# KiCad board DQBSC.kicad_pcb (continued)
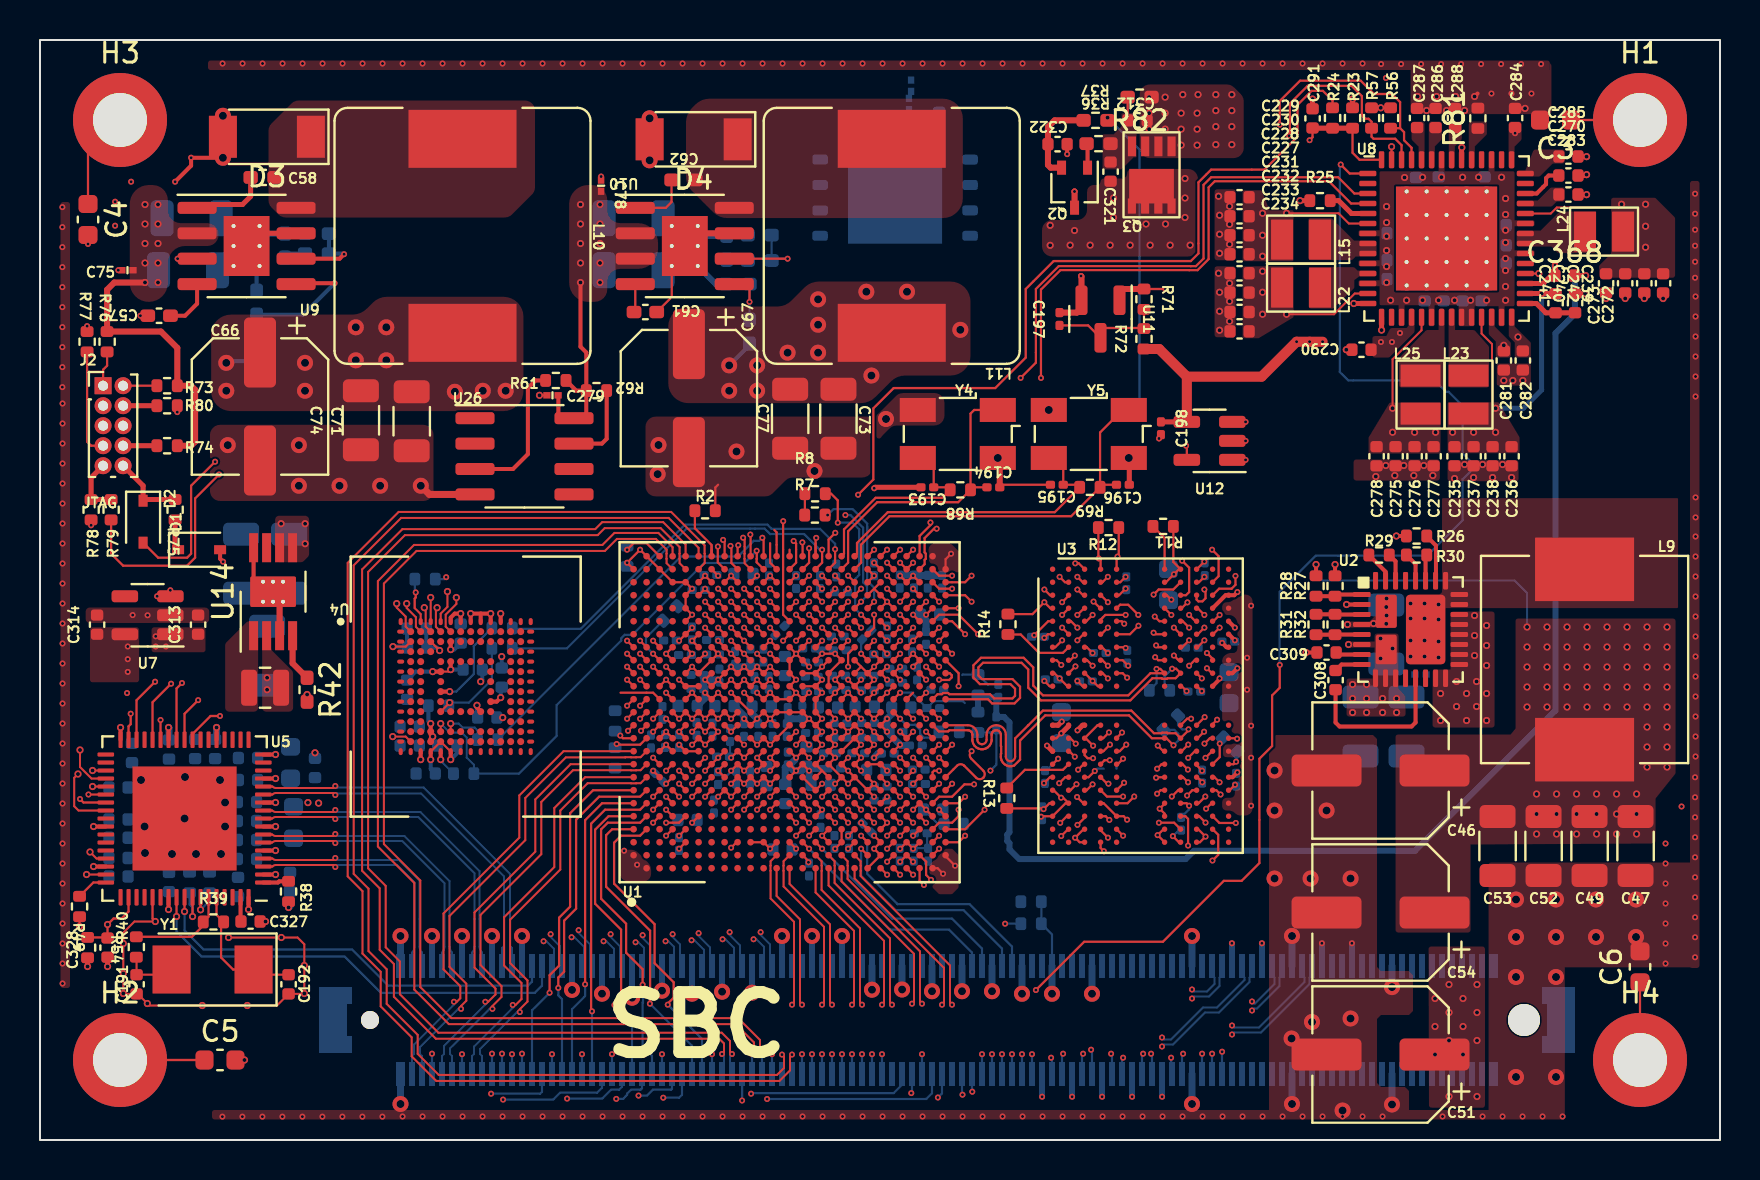
[diagram p0: board, top side]
## Routing (per net, layer and track width the routed paths; a pad name or vN(x,y) marks a point on that pad's centre or on a via; arc(x,y) is an arc through that point) (continued)
DRAM_DQ9: length 25.7
  TOP w0.11: U1.AA22 v2(42.35,27.56) ; U3.C11 58.95,27.56 59.58,27.56 59.77,27.76 v2(59.77,28.2)
  S1 w0.11: v2(42.35,27.56) 42.03,27.89 42.03,29.83 43.83,31.63 58.28,31.63 59.77,30.14 v2(59.77,28.2)
DRAM_DQ10: length 25.7
  TOP w0.11: U3.E11 58.67,25.94 v2(58.98,26.25) ; U1.AA23 v2(42.35,28.21)
  S1 w0.11: v2(42.35,28.21) 42.35,28.35 42.65,28.65 42.65,29.87 42.9,30.12 arc(42.97,30.15) 43.05,30.12 arc(43.13,30.09) 43.2,30.12 43.33,30.25 arc(43.36,30.33) 43.33,30.41 arc(43.3,30.48) 43.33,30.56 43.46,30.69 arc(43.54,30.72) 43.62,30.69 arc(43.69,30.66) 43.77,30.69 43.9,30.82 arc(43.93,30.89) 43.9,30.97 arc(43.87,31.05) 43.9,31.12 44.11,31.33 58.04,31.33 59.39,29.98 59.39,27.31 59.77,26.93 59.77,26.42 59.6,26.25 v2(58.98,26.25)
DRAM_DQ11: length 25.7
  TOP w0.11: U1.AA20 v2(42.35,26.26) ; v2(58.98,25.62) 58.65,25.29 U3.F11
  S1 w0.11: v2(58.98,25.62) 58.63,25.97 58.63,26.55 59.01,26.93 59.01,29.85 57.87,31 45.68,31 44.96,30.27 44.83,30.27 43.78,29.22 43.58,29.22 43.33,28.96 43.33,28.75 43.09,28.51 42.88,28.51 42.68,28.31 42.68,26.59 v2(42.35,26.26)
DRAM_DQ12: length 25.7
  TOP w0.11: U3.F9 57.02,25.29 v2(56.69,25.62) ; U1.AA18 v2(43,24.96)
  S1 w0.11: v2(56.69,25.62) 56.18,26.13 56.18,27.42 55.95,27.64 55.48,27.64 54.62,26.78 54.62,25.77 53.54,24.69 53.09,24.69 arc(52.91,24.76) 52.84,24.94 52.84,25.24 arc(52.76,25.42) 52.58,25.49 arc(52.4,25.42) 52.33,25.24 52.33,24.94 arc(52.25,24.76) 52.07,24.69 49.83,24.69 arc(49.67,24.62) 49.6,24.46 49.6,23.95 arc(49.53,23.79) 49.37,23.72 arc(49.2,23.79) 49.14,23.95 49.14,24.46 arc(49.07,24.62) 48.91,24.69 arc(48.74,24.62) 48.67,24.46 48.67,23.95 arc(48.61,23.79) 48.44,23.72 arc(48.28,23.79) 48.21,23.95 48.21,24.46 arc(48.15,24.62) 47.98,24.69 arc(47.82,24.62) 47.75,24.46 47.75,23.95 arc(47.68,23.79) 47.52,23.72 arc(47.36,23.79) 47.29,23.95 47.29,24.46 arc(47.22,24.62) 47.06,24.69 arc(46.89,24.62) 46.83,24.46 46.83,23.95 arc(46.76,23.79) 46.6,23.72 arc(46.43,23.79) 46.36,23.95 46.36,24.46 arc(46.3,24.62) 46.13,24.69 45.89,24.69 45.32,25.26 43.3,25.26 v2(43,24.96)
DRAM_DQ13: length 25.7
  TOP w0.11: v2(57.46,25.62) 57.14,25.94 U3.E9 ; U1.AB19 v2(43.65,25.61)
  S1 w0.11: v2(43.65,25.61) 44.08,25.61 44.22,25.75 44.65,25.75 44.91,26.02 44.91,26.45 45.09,26.63 45.42,26.63 45.83,26.22 46.29,26.22 46.47,26.03 47.01,26.03 47.3,26.32 47.58,26.32 arc(47.74,26.26) 47.81,26.09 47.81,25.3 arc(47.88,25.14) 48.04,25.07 arc(48.2,25.14) 48.27,25.3 48.27,26.09 arc(48.34,26.26) 48.5,26.32 arc(48.67,26.26) 48.73,26.09 48.73,25.3 arc(48.8,25.14) 48.96,25.07 arc(49.13,25.14) 49.2,25.3 49.2,26.09 arc(49.26,26.26) 49.43,26.32 arc(49.59,26.26) 49.66,26.09 49.66,25.75 arc(49.72,25.59) 49.89,25.52 arc(50.05,25.59) 50.12,25.75 50.12,26.09 arc(50.19,26.26) 50.35,26.32 50.55,26.32 50.92,25.96 51.31,25.96 51.52,26.17 51.52,26.44 51.67,26.59 52.18,26.59 52.33,26.44 52.33,26.02 52.43,25.92 53.3,25.92 53.72,26.34 53.72,26.59 54.23,27.1 54.4,27.1 55.27,27.97 56.11,27.97 56.26,27.81 56.46,27.81 56.6,27.95 56.8,27.95 57,27.75 57,27.59 56.83,27.42 56.83,27.25 56.97,27.1 56.97,25.91 57.26,25.62 v2(57.46,25.62)
DRAM_DQ14: length 25.6
  TOP w0.11: U3.C9 57.3,27.24 57.46,27.4 57.46,28.61 v2(57.11,28.96) ; U1.AA19 v2(43,25.61)
  S1 w0.11: v2(43,25.61) 43.3,25.91 43.72,25.91 44.01,26.2 44.01,26.39 44.24,26.62 44.43,26.62 44.66,26.85 44.66,27.04 45.48,27.86 46.24,27.86 arc(46.42,27.79) 46.49,27.61 46.49,27.47 arc(46.57,27.28) 46.75,27.21 arc(46.93,27.28) 47,27.47 47,27.61 arc(47.08,27.79) 47.26,27.86 arc(47.44,27.79) 47.52,27.61 47.52,27.07 arc(47.59,26.88) 47.77,26.81 arc(47.95,26.88) 48.03,27.07 48.03,27.61 arc(48.1,27.79) 48.28,27.86 arc(48.46,27.79) 48.54,27.61 48.54,27.07 arc(48.61,26.88) 48.8,26.81 arc(48.98,26.88) 49.05,27.07 49.05,27.82 49.18,27.95 49.38,27.95 49.59,27.75 49.89,27.75 50.01,27.86 50.33,27.86 arc(50.51,27.79) 50.59,27.61 50.59,27.42 arc(50.66,27.23) 50.84,27.16 arc(51.02,27.23) 51.1,27.42 51.1,27.61 arc(51.17,27.79) 51.36,27.86 51.92,27.86 arc(52.1,27.79) 52.17,27.61 52.17,27.42 arc(52.25,27.23) 52.43,27.16 arc(52.61,27.23) 52.69,27.42 52.69,27.61 arc(52.76,27.79) 52.94,27.86 arc(53.12,27.79) 53.2,27.61 53.2,27.47 arc(53.27,27.28) 53.45,27.21 arc(53.63,27.28) 53.71,27.47 53.71,27.61 arc(53.78,27.79) 53.97,27.86 54.61,27.86 55.07,28.33 56.07,28.33 56.7,28.96 v2(57.11,28.96)
DRAM_DQ15: length 25.6
  TOP w0.11: U1.AA17 v2(43,24.31) ; U3.B9 56.66,27.52 55.93,27.52 v2(55.68,27.27)
  S1 w0.11: v2(43,24.31) 43.3,24.02 45.19,24.02 46.12,23.09 46.33,23.09 arc(46.52,23.01) 46.6,22.81 46.6,22.01 arc(46.69,21.82) 46.88,21.74 arc(47.07,21.82) 47.15,22.01 47.15,22.81 arc(47.24,23.01) 47.43,23.09 arc(47.62,23.01) 47.7,22.81 47.7,22.01 arc(47.79,21.82) 47.98,21.74 arc(48.17,21.82) 48.25,22.01 48.25,22.81 arc(48.34,23.01) 48.53,23.09 arc(48.72,23.01) 48.8,22.81 48.8,22.01 arc(48.89,21.82) 49.08,21.74 arc(49.27,21.82) 49.35,22.01 49.35,22.81 arc(49.44,23.01) 49.63,23.09 49.83,23.09 50.12,23.38 54.1,23.38 54.13,23.41 54.48,23.41 54.51,23.38 54.97,23.38 55.33,23.73 55.33,23.89 55.23,23.99 55.23,25.21 55.33,25.31 55.33,26.92 v2(55.68,27.27)
DRAM_DQ16: length 23.8
  TOP w0.11: U3.AA2 51.4,15.54 v2(51.06,15.2) ; v2(46.25,15.21) 45.93,14.89 U1.AE3
  S2 w0.11: v2(51.06,15.2) 50.84,15.2 50.17,15.87 49.93,15.87 49.76,16.04 49.76,16.29 49.89,16.41 49.89,16.87 49.95,16.93 49.95,17.34 49.91,17.38 49.57,17.38 49.28,17.68 49.23,17.68 49.15,17.72 49.15,18.08 49.2,18.14 50.4,18.14 50.43,18.14 50.48,18.16 50.53,18.2 50.55,18.26 50.34,18.47 50.34,18.82 49.89,19.28 49.81,19.28 49.65,19.43 49.58,19.4 49.52,19.35 49.49,19.28 49.49,19.24 49.49,18.64 49.49,18.6 49.46,18.52 49.4,18.47 49.33,18.44 49.29,18.44 49.2,18.44 49.17,18.44 49.12,18.46 49.07,18.5 49.05,18.56 49.05,18.59 49.05,18.66 49.05,18.7 49.01,18.78 48.95,18.85 48.87,18.88 48.83,18.88 48.78,18.88 48.7,18.85 48.64,18.78 48.6,18.7 48.6,18.66 48.6,18.49 48.6,18.46 48.57,18.4 48.51,18.37 48.48,18.37 48.03,18.37 47.99,18.37 47.93,18.33 47.9,18.28 47.9,18.24 47.9,18.21 47.93,18.15 47.99,18.12 48.03,18.12 48.48,18.12 48.51,18.12 48.57,18.08 48.6,18.03 48.6,17.99 48.6,17.06 48.51,16.97 48.26,16.97 48.21,17.02 48.21,17.53 48.01,17.73 47.75,17.73 47.46,17.44 47.46,16.82 47.46,16.79 47.48,16.72 47.53,16.68 47.6,16.65 47.63,16.65 47.88,16.65 47.92,16.65 47.98,16.62 48.03,16.57 48.06,16.51 48.06,16.47 48.06,16.44 48.03,16.37 47.98,16.33 47.92,16.3 47.88,16.3 47.53,16.3 47.5,16.3 47.43,16.27 47.38,16.22 47.36,16.16 47.36,16.12 47.36,16.09 47.38,16.02 47.43,15.98 47.5,15.95 47.53,15.95 47.88,15.95 47.92,15.95 47.98,15.92 48.03,15.87 48.06,15.81 48.06,15.77 48.06,15.6 47.8,15.34 47.19,15.34 46.48,16.06 45.57,16.06 45.47,15.95 45.47,15.75 45.62,15.6 46.08,15.6 46.25,15.42 v2(46.25,15.21)
DRAM_DQ17: length 24
  TOP w0.11: U3.Y2 51.34,16.19 v2(51.01,15.86) ; U1.AD2 v2(44.95,14.56)
  S2 w0.11: v2(44.95,14.56) 46.5,14.56 47.29,13.77 47.29,13.21 47.45,13.06 47.9,13.06 48.06,13.21 48.06,13.52 48.62,14.07 48.62,14.14 48.26,14.5 47.44,14.5 47.39,14.57 47.37,14.65 47.76,15.05 48.46,15.05 48.46,15.24 48.63,15.41 48.82,15.41 49.02,15.6 49.02,15.7 49.08,15.73 49.08,15.79 48.55,16.32 48.52,16.32 48.47,16.34 48.47,16.5 49.09,17.12 49.23,17.12 49.3,17.15 49.33,17.15 49.43,17.05 49.43,15.95 49.68,15.7 49.82,15.7 49.85,15.67 49.86,15.67 49.99,15.55 49.99,15.19 50.14,15.04 50.44,15.04 50.8,14.68 50.8,14.02 50.7,13.92 50.7,13.11 50.85,12.96 51.36,12.96 51.61,13.21 51.61,13.73 51.61,13.76 51.59,13.81 51.55,13.85 51.49,13.88 51.46,13.88 51.36,13.88 51.33,13.88 51.28,13.9 51.24,13.94 51.21,14 51.21,14.03 51.21,14.06 51.24,14.11 51.28,14.15 51.33,14.18 51.36,14.18 51.46,14.18 51.49,14.18 51.55,14.2 51.59,14.24 51.61,14.3 51.61,14.33 51.61,14.63 51.46,14.79 51.46,16 51.26,16.21 51.26,16.51 51.1,16.67 50.85,16.67 50.65,16.46 50.65,16 50.79,15.86 v2(51.01,15.86)
DRAM_DQ18: length 24
  TOP w0.11: v2(47.23,16.51) 46.25,15.54 U1.AE4 ; v2(51.82,17.79) 51.52,17.49 U3.V2
  S2 w0.11: v2(51.82,17.79) 51.49,17.46 50.77,17.46 50.66,17.56 50.66,17.96 50.88,18.18 50.88,18.39 51.33,18.84 51.33,19.66 50.98,20.01 50.08,20.01 49.83,19.76 49.63,19.76 49.47,19.92 49.47,20.12 49.38,20.21 49.35,20.21 49.29,20.18 49.29,19.7 48.92,19.33 48.86,19.33 48.74,19.21 48.69,19.24 48.6,19.33 48.6,19.7 48.56,19.74 48.5,19.76 48.3,19.56 48.3,19.37 48.22,19.3 48.04,19.3 47.88,19.14 47.64,19.14 47.47,19.31 47.47,19.41 47.45,19.41 47.43,19.36 47.43,19.23 47.78,18.88 47.78,18.82 47.76,18.76 47.41,18.76 47.12,19.05 47.07,19.03 47.05,19.01 46.84,19.01 46.41,18.57 46.41,18.54 46.43,18.49 46.47,18.45 47,18.45 47.21,18.24 47.19,18.19 47.14,18.15 46.55,18.15 46.28,17.87 46.28,17.7 46.18,17.6 46.03,17.6 45.96,17.67 45.96,18.57 45.77,18.76 45.45,18.76 45.31,18.61 45.31,17.23 45.73,16.81 46.52,16.81 46.75,17.04 46.75,17.29 46.83,17.36 46.98,17.36 47.13,17.21 47.13,16.61 v2(47.23,16.51)
DRAM_DQ19: length 25
  TOP w0.11: v2(50.96,17.84) 51.26,18.14 U3.U2 ; U1.AD4 44.95,15.86 45.6,15.86 45.93,16.19 v2(45.93,16.51)
  S2 w0.11: v2(50.96,17.84) 51.2,18.08 51.91,18.08 52.57,18.74 52.84,18.74 53.15,19.05 53.15,19.75 52.9,20 52.79,20 52.78,20.01 52.05,20.01 51.95,20.11 51.82,20.11 51.31,20.63 50.79,20.63 50.74,20.57 50.74,20.53 50.72,20.5 50.39,20.5 50.19,20.7 49.79,20.7 49.71,20.78 49.69,20.78 49.64,20.72 49.64,20.55 49.58,20.5 49.29,20.5 49.07,20.72 49.07,20.76 49.03,20.78 49.01,20.78 48.61,20.78 48.59,20.78 48.56,20.76 48.54,20.72 48.54,20.68 48.52,20.65 48.48,20.63 48.46,20.63 48.14,20.63 48.1,20.63 48.01,20.66 47.94,20.71 47.89,20.78 47.87,20.86 47.87,20.9 47.87,21.1 47.86,21.15 47.84,21.23 47.79,21.3 47.72,21.35 47.63,21.38 47.59,21.38 47.55,21.38 47.46,21.35 47.39,21.3 47.34,21.23 47.32,21.15 47.32,21.1 47.32,20.9 47.31,20.86 47.29,20.78 47.24,20.71 47.17,20.66 47.08,20.63 47.04,20.63 46.71,20.63 46.67,20.63 46.58,20.6 46.51,20.55 46.46,20.48 46.44,20.4 46.43,20.35 46.43,19.9 46.43,19.86 46.41,19.78 46.36,19.71 46.28,19.66 46.2,19.63 46.16,19.63 46.12,19.63 46.03,19.66 45.96,19.71 45.91,19.78 45.89,19.86 45.88,19.9 45.88,21.6 45.88,21.65 45.86,21.73 45.81,21.8 45.73,21.85 45.65,21.88 45.61,21.88 45.57,21.88 45.48,21.85 45.41,21.8 45.36,21.73 45.34,21.65 45.33,21.6 45.33,20.9 45.33,20.86 45.31,20.78 45.26,20.71 45.18,20.66 45.1,20.63 45.06,20.63 44.86,20.63 44.66,20.43 44.66,17.37 45.51,16.51 v2(45.93,16.51)
DRAM_DQ20: length 24.9
  TOP w0.11: U1.AA2 v2(42.35,13.91) ; v2(53.42,17.82) 53.38,17.86 53.31,17.86 U3.U4 53.1,18.14
  S2 w0.11: v2(53.42,17.82) 53.49,17.75 53.49,17.38 54,16.87 54,15.87 54.45,15.41 54.45,11.07 53.14,9.76 49.73,9.76 arc(49.54,9.84) 49.45,10.03 arc(49.37,10.23) 49.18,10.31 49.13,10.31 arc(48.94,10.23) 48.85,10.03 arc(48.77,9.84) 48.58,9.76 43.59,9.76 42.65,10.69 42.65,13.62 v2(42.35,13.91)
DRAM_DQ21: length 24.9
  TOP w0.11: v2(54.15,17.17) 53.35,17.17 U3.V4 53.08,17.49 ; U1.Y1 v2(42.35,13.26)
  S2 w0.11: v2(42.35,13.26) 42.35,10.47 43.55,9.27 50.65,9.27 50.68,9.27 50.73,9.24 50.75,9.19 50.76,9.17 50.76,9.14 50.78,9.09 50.83,9.06 50.86,9.06 51.25,9.06 51.28,9.06 51.33,9.09 51.35,9.14 51.36,9.17 51.36,9.19 51.38,9.24 51.43,9.27 51.46,9.27 53.18,9.27 54.77,10.87 54.77,16.55 v2(54.15,17.17)
DRAM_DQ22: length 24.2
  TOP w0.11: U1.AA1 v2(43,13.26) ; v2(53.47,16) 53.28,16.19 U3.Y4
  S2 w0.11: v2(43,13.26) 43,10.85 43.54,10.32 48.06,10.32 48.26,10.52 48.58,10.52 48.73,10.67 49.73,10.67 49.99,10.41 51.56,10.41 51.56,10.67 51.56,10.72 51.59,10.81 51.64,10.88 51.72,10.94 51.81,10.97 51.86,10.97 51.9,10.97 51.99,10.94 52.07,10.88 52.13,10.81 52.16,10.72 52.16,10.67 52.16,10.41 52.16,10.36 52.19,10.27 52.24,10.2 52.32,10.14 52.41,10.11 52.46,10.11 52.98,10.11 54,11.13 54,14.77 53.8,14.97 53.8,16.72 53.39,17.12 53.07,17.12 53.07,16.75 53.47,16.35 v2(53.47,16)
DRAM_DQ23: length 23.3
  TOP w0.11: U3.AA4 53.03,15.48 v2(53.4,15.12) ; U1.AB1 v2(43.65,13.26)
  S2 w0.11: v2(53.4,15.12) 53.4,14.88 53.7,14.58 53.7,13.72 53.69,13.68 53.67,13.59 53.62,13.52 53.55,13.47 53.46,13.45 53.42,13.44 52.97,13.44 52.93,13.44 52.84,13.42 52.77,13.36 52.72,13.29 52.7,13.21 52.7,13.17 52.7,13.13 52.72,13.04 52.77,12.97 52.84,12.92 52.93,12.9 52.97,12.89 53.42,12.89 53.46,12.89 53.55,12.87 53.62,12.81 53.67,12.74 53.69,12.66 53.7,12.62 53.69,12.58 53.67,12.49 53.62,12.42 53.55,12.37 53.46,12.35 53.42,12.34 52.97,12.34 52.93,12.34 52.84,12.32 52.77,12.26 52.72,12.19 52.7,12.11 52.7,12.07 52.7,12.03 52.72,11.94 52.77,11.87 52.84,11.82 52.93,11.8 52.97,11.79 53.42,11.79 53.46,11.79 53.55,11.77 53.62,11.71 53.67,11.64 53.69,11.56 53.7,11.52 53.7,11.43 53.09,10.82 52.83,10.82 52.32,11.33 51.61,11.33 50.95,10.67 50.34,10.67 49.99,11.03 48.66,11.03 48.58,11.11 48.13,11.11 48.05,11.03 47.5,11.03 47.15,10.67 47.06,10.7 46.98,10.76 46.03,10.76 45.95,10.67 45.86,10.7 45.78,10.76 45.78,11.24 45.35,11.67 45.26,11.64 45.18,11.58 45.18,11.06 44.79,10.67 43.74,10.67 43.33,11.08 43.33,12.94 v2(43.65,13.26)
DRAM_DQ24: length 25.1
  TOP w0.11: U1.AB4 v2(43,15.21) ; v2(58.62,13.97) 58.91,14.26 58.91,15.26 U3.AA11
  S1 w0.11: v2(58.62,13.97) 58.44,13.97 57.52,13.05 57.19,13.05 57.14,13.05 57.05,13.08 56.98,13.14 56.92,13.22 56.89,13.31 56.89,13.35 56.89,13.4 56.89,13.45 56.86,13.54 56.8,13.61 56.73,13.67 56.64,13.7 56.59,13.7 56.54,13.7 56.45,13.67 56.38,13.61 56.32,13.54 56.29,13.45 56.29,13.4 56.29,13.35 56.29,13.31 56.26,13.22 56.21,13.14 56.13,13.08 56.04,13.05 55.99,13.05 55.94,13.05 55.85,13.08 55.78,13.14 55.72,13.22 55.69,13.31 55.69,13.35 55.69,13.4 55.69,13.45 55.66,13.54 55.6,13.61 55.53,13.67 55.44,13.7 55.39,13.7 55.34,13.7 55.25,13.67 55.18,13.61 55.12,13.54 55.09,13.45 55.09,13.4 55.09,13.35 55.09,13.31 55.06,13.22 55.01,13.14 54.93,13.08 54.84,13.05 54.79,13.05 54.74,13.05 54.65,13.08 54.58,13.14 54.52,13.22 54.49,13.31 54.49,13.35 54.49,13.4 54.49,13.45 54.46,13.54 54.4,13.61 54.33,13.67 54.24,13.7 54.19,13.7 54.14,13.7 54.05,13.67 53.98,13.61 53.92,13.54 53.89,13.45 53.89,13.4 53.89,13.35 53.89,13.31 53.86,13.22 53.81,13.14 53.73,13.08 53.64,13.05 53.59,13.05 53.54,13.05 53.45,13.08 53.38,13.14 53.32,13.22 53.29,13.31 53.29,13.35 53.29,13.4 53.29,13.45 53.26,13.54 53.2,13.61 53.13,13.67 53.04,13.7 52.99,13.7 52.94,13.7 52.85,13.67 52.78,13.61 52.72,13.54 52.69,13.45 52.69,13.4 52.69,13.35 52.69,13.31 52.66,13.22 52.61,13.14 52.53,13.08 52.44,13.05 52.39,13.05 52.34,13.05 52.25,13.08 52.18,13.14 52.12,13.22 52.09,13.31 52.09,13.35 52.09,13.4 52.09,13.45 52.06,13.54 52,13.61 51.93,13.67 51.84,13.7 51.79,13.7 51.74,13.7 51.65,13.67 51.58,13.61 51.52,13.54 51.49,13.45 51.49,13.4 51.49,13.35 51.49,13.31 51.46,13.22 51.41,13.14 51.33,13.08 51.24,13.05 51.19,13.05 51.14,13.05 51.05,13.08 50.98,13.14 50.92,13.22 50.89,13.31 50.89,13.35 50.89,13.4 50.89,13.45 50.86,13.54 50.8,13.61 50.73,13.67 50.64,13.7 50.59,13.7 50.54,13.7 50.45,13.67 50.38,13.61 50.32,13.54 50.29,13.45 50.29,13.4 50.29,13.35 50.29,13.31 50.26,13.22 50.21,13.14 50.13,13.08 50.04,13.05 49.99,13.05 49.03,13.05 48.83,13.26 48.78,13.26 48.69,13.29 48.61,13.34 48.56,13.42 48.53,13.51 48.53,13.56 48.53,13.61 48.53,13.65 48.5,13.74 48.44,13.82 48.37,13.87 48.28,13.9 48.23,13.91 48.18,13.9 48.09,13.87 48.01,13.82 47.96,13.74 47.93,13.65 47.93,13.61 47.93,13.56 47.93,13.51 47.9,13.42 47.84,13.34 47.76,13.29 47.67,13.26 47.59,13.34 46.51,13.34 46.43,13.26 45.6,13.26 45.45,13.41 45.45,13.44 45.28,13.61 45.25,13.61 45.14,13.72 44.47,13.72 43.92,14.27 43.4,14.27 43.3,14.37 43.3,14.69 43,14.98 v2(43,15.21)
DRAM_DQ25: length 25.7
  TOP w0.11: U3.Y11 58.97,15.85 v2(59.79,15.85) ; U1.AA4 v2(42.35,15.21)
  S1 w0.11: v2(42.35,15.21) 42.35,15.16 42.01,14.82 42.01,14.43 41.76,14.18 41.76,12.96 42.87,11.84 57.91,11.84 59.79,13.72 v2(59.79,15.85)
DRAM_DQ26: length 25.7
  TOP w0.11: U3.V11 58.81,17.49 v2(59.03,17.27) ; U1.AA3 v2(42.35,14.56)
  S1 w0.11: v2(59.03,17.27) 59.33,16.97 59.33,13.72 57.81,12.19 48.08,12.19 arc(47.95,12.24) 47.9,12.37 arc(47.84,12.5) 47.72,12.55 47.53,12.55 arc(47.4,12.5) 47.35,12.37 arc(47.29,12.24) 47.17,12.19 46.98,12.19 arc(46.85,12.24) 46.8,12.37 arc(46.74,12.5) 46.62,12.55 46.43,12.55 arc(46.3,12.5) 46.25,12.37 arc(46.19,12.24) 46.07,12.19 45.88,12.19 arc(45.75,12.24) 45.7,12.37 arc(45.64,12.5) 45.52,12.55 45.33,12.55 arc(45.2,12.5) 45.15,12.37 arc(45.09,12.24) 44.97,12.19 43.01,12.19 42.06,13.14 42.06,14.04 42.35,14.33 v2(42.35,14.56)
DRAM_DQ27: length 25.6
  TOP w0.11: v2(58.98,17.88) 58.72,18.14 U3.U11 ; U1.AA6 v2(42.35,16.51)
  S1 w0.11: v2(42.35,16.51) 42.42,16.51 42.71,16.22 42.71,14.44 42.88,14.27 43.07,14.27 43.3,14.04 43.3,13.85 43.54,13.62 43.6,13.62 43.61,13.62 43.77,13.62 44.09,13.3 44.78,13.3 44.86,13.23 44.86,13.19 45.03,13.02 45.07,13.02 45.24,12.84 48.73,12.84 49,12.57 57.64,12.57 59.03,13.96 59.03,16.72 58.65,17.09 58.65,17.51 58.48,17.69 58.48,17.81 58.6,17.94 58.92,17.94 v2(58.98,17.88)
DRAM_DQ28: length 25
  TOP w0.11: U1.AA8 v2(43,17.81) ; v2(57.4,17.88) 57.15,18.14 U3.U9
  S1 w0.11: v2(57.4,17.88) 56.38,18.91 56.38,19.67 56.03,20.01 55.98,20.02 55.89,20.05 55.83,20.12 55.79,20.21 55.79,20.26 55.79,20.3 55.75,20.39 55.68,20.46 55.6,20.5 55.55,20.5 55.43,20.5 55.38,20.5 55.29,20.46 55.23,20.39 55.19,20.3 55.19,20.26 55.19,20.21 55.15,20.12 55.08,20.05 55,20.02 54.95,20.01 54.73,20.01 54.63,19.91 54.63,19.67 54.43,19.47 53.99,19.47 53.95,19.51 53.95,19.81 53.7,20.06 53.1,20.06 52.98,19.94 52.98,19.61 52.78,19.42 52.53,19.42 52.3,19.65 52.3,20.47 51.96,20.81 51.7,20.81 51.54,20.65 51.54,20.19 50.53,19.18 49.59,19.18 49.53,19.23 49.5,19.31 49.5,19.34 49.5,19.59 49.5,19.63 49.47,19.71 49.41,19.76 49.34,19.79 49.3,19.79 49.26,19.79 49.19,19.76 49.13,19.71 49.1,19.63 49.1,19.59 49.1,19.34 49.1,19.31 49.07,19.23 49.01,19.18 48.94,19.15 48.9,19.14 48.86,19.15 48.79,19.18 48.73,19.23 48.7,19.31 48.7,19.34 48.7,19.59 48.7,19.63 48.67,19.71 48.61,19.76 48.54,19.79 48.5,19.79 48.46,19.79 48.39,19.76 48.33,19.71 48.3,19.63 48.3,19.59 48.3,19.34 48.3,19.31 48.27,19.23 48.21,19.18 48.14,19.15 48.1,19.14 48.06,19.15 47.99,19.18 47.95,19.21 47.88,19.14 47.64,19.14 47.49,19.29 47.47,19.23 47.41,19.18 47.34,19.15 47.3,19.14 46.05,19.14 45.8,18.9 45.78,18.87 45.74,18.79 45.74,18.71 45.78,18.64 45.8,18.61 45.91,18.51 45.94,18.48 45.97,18.41 45.97,18.33 45.94,18.25 45.91,18.22 45.88,18.2 45.81,18.17 45.73,18.17 45.65,18.2 45.63,18.22 45.52,18.33 45.49,18.36 45.42,18.39 45.34,18.39 45.27,18.36 45.24,18.33 45.03,18.12 44.68,18.12 44.64,18.12 44.57,18.15 44.51,18.21 44.48,18.28 44.48,18.32 44.48,18.62 44.48,18.66 44.45,18.73 44.39,18.79 44.32,18.82 44.28,18.82 44.24,18.82 44.17,18.79 44.11,18.73 44.08,18.66 44.08,18.62 44.08,18.32 44.08,18.28 44.05,18.21 43.99,18.15 43.92,18.12 43.88,18.12 43.31,18.12 v2(43,17.81)
DRAM_DQ29: length 25.6
  TOP w0.11: U1.AB7 v2(43.65,17.16) ; v2(56.59,17.17) 56.91,17.49 U3.V9
  S1 w0.11: v2(43.65,17.16) 43.82,17.16 44.13,17.47 44.43,17.47 44.58,17.32 45.68,17.32 46.38,18.02 46.38,18.68 46.38,18.72 46.41,18.8 46.47,18.85 46.54,18.88 46.58,18.88 46.62,18.88 46.69,18.85 46.75,18.8 46.78,18.72 46.78,18.68 46.78,18.19 46.98,17.98 47.58,17.98 47.6,17.98 47.65,17.96 47.68,17.91 47.68,17.86 47.7,17.81 47.75,17.79 47.78,17.78 47.82,17.79 47.89,17.82 47.95,17.87 47.98,17.95 47.98,17.98 47.98,18.68 47.98,18.72 48.01,18.8 48.07,18.85 48.14,18.88 48.18,18.88 48.22,18.88 48.29,18.85 48.35,18.8 48.38,18.72 48.38,18.68 48.38,17.98 48.38,17.95 48.41,17.87 48.47,17.82 48.54,17.79 48.58,17.78 48.62,17.79 48.69,17.82 48.75,17.87 48.78,17.95 48.78,17.98 48.78,18.68 48.78,18.72 48.81,18.8 48.87,18.85 48.94,18.88 48.98,18.88 49.02,18.88 49.09,18.85 49.15,18.8 49.18,18.72 49.18,18.68 49.18,17.62 49.35,17.44 49.78,17.44 49.9,17.56 49.9,18.16 50.28,18.54 51.46,18.54 51.78,18.22 52.11,18.22 52.3,18.41 52.3,18.49 52.6,18.79 53,18.79 53.23,18.56 53.45,18.56 53.73,18.29 54.3,18.29 54.55,18.54 54.55,19.09 54.7,19.24 54.88,19.24 54.98,19.14 54.98,18.04 55.08,17.94 55.28,17.94 55.4,18.06 55.4,18.74 55.63,18.96 55.88,18.96 56.23,18.61 56.23,17.53 v2(56.59,17.17)
DRAM_DQ30: length 25.6
  TOP w0.11: U3.Y9 57.27,16.19 57.4,16.06 v2(57.4,14.72) ; U1.AA7 v2(43,17.16)
  S1 w0.11: v2(57.4,14.72) 57.28,14.84 57.28,15.43 arc(57.27,15.47) 57.23,15.48 arc(57.19,15.5) 57.17,15.54 57.17,16.03 arc(57.19,16.07) 57.23,16.08 arc(57.27,16.1) 57.28,16.14 57.28,16.37 57.21,16.45 56.75,16.45 56.63,16.32 56.63,15.92 56.28,15.57 55.82,15.57 55.64,15.75 55.64,17.06 55.2,17.49 55.2,17.49 53.45,17.49 arc(53.33,17.44) 53.28,17.31 arc(53.23,17.19) 53.1,17.14 52.85,17.14 arc(52.73,17.19) 52.68,17.31 arc(52.63,17.44) 52.5,17.49 50.6,17.49 49.98,16.87 49.73,16.87 arc(49.57,16.8) 49.5,16.64 arc(49.44,16.48) 49.28,16.42 arc(49.12,16.48) 49.05,16.64 49.05,17.09 arc(48.99,17.25) 48.83,17.32 arc(48.67,17.25) 48.6,17.09 48.6,16.64 arc(48.54,16.48) 48.38,16.42 arc(48.22,16.48) 48.15,16.64 48.15,17.09 arc(48.09,17.25) 47.93,17.32 arc(47.77,17.25) 47.7,17.09 arc(47.64,16.93) 47.48,16.87 arc(47.32,16.93) 47.25,17.09 arc(47.19,17.25) 47.03,17.32 arc(46.87,17.25) 46.8,17.09 arc(46.74,16.93) 46.58,16.87 46.32,16.87 46.28,16.87 45.83,16.87 45.79,16.87 45.72,16.84 45.66,16.78 45.63,16.71 45.63,16.63 45.6,16.56 45.54,16.5 45.47,16.47 45.43,16.47 45.39,16.47 45.32,16.5 45.26,16.56 45.23,16.63 45.23,16.71 45.2,16.78 45.14,16.84 45.07,16.87 45.03,16.87 42.77,16.87 42.68,16.96 42.68,17.06 42.78,17.16 v2(43,17.16)
DRAM_DQ31: length 25.7
  TOP w0.11: U3.AA9 56.7,15.86 v2(55.95,15.86) ; U1.AA9 v2(43,18.46)
  S1 w0.11: v2(43,18.46) 43.36,18.82 43.36,19.24 44.24,20.12 44.53,20.12 44.53,20.12 45.36,20.12 46.06,20.82 49.66,20.82 50.25,21.41 51.93,21.41 arc(52.14,21.5) 52.23,21.71 52.23,22.04 arc(52.32,22.25) 52.53,22.34 arc(52.74,22.25) 52.83,22.04 52.83,21.17 arc(52.9,21) 53.07,20.92 53.18,20.92 arc(53.36,21) 53.43,21.17 arc(53.5,21.34) 53.67,21.41 55.7,21.41 56.97,20.15 56.97,19 57.15,18.81 57.53,18.81 57.78,18.57 57.78,17.82 57.53,17.57 57.18,17.57 56.89,17.28 56.89,16.88 56.78,16.77 56.58,16.77 56.28,16.47 56.28,16.2 v2(55.95,15.86)
DRAM_DQS0_N: length 24.8
  TOP w0.11: v2(52.63,26.25) 52.32,25.94 U3.E3 ; v2(44.52,30.88) 44.52,30.74 43.98,30.2 U1.AC25
  S2 w0.11: v2(44.52,30.88) 44.66,30.88 45.53,31.75 45.88,31.75 arc(46.25,31.59) 46.4,31.22 46.4,30.78 arc(46.48,30.58) 46.68,30.5 arc(46.87,30.58) 46.95,30.78 46.95,31.22 arc(47.11,31.59) 47.48,31.75 arc(47.85,31.59) 48,31.22 48,30.78 arc(48.08,30.58) 48.28,30.5 arc(48.47,30.58) 48.55,30.78 48.55,31.22 arc(48.71,31.59) 49.08,31.75 arc(49.45,31.59) 49.6,31.22 49.6,30.78 arc(49.68,30.58) 49.88,30.5 arc(50.07,30.58) 50.15,30.78 50.15,31.22 arc(50.31,31.59) 50.68,31.75 arc(51.05,31.59) 51.2,31.22 51.2,30.78 arc(51.28,30.58) 51.48,30.5 arc(51.67,30.58) 51.75,30.78 51.75,31.22 arc(51.91,31.59) 52.28,31.75 52.93,31.75 53.55,31.12 53.55,28.82 52.95,28.22 52.95,27.77 52.37,27.19 52.37,26.51 v2(52.63,26.25)
DRAM_DQS0_P: length 24.7
  TOP w0.11: v2(44.83,30.57) 44.7,30.57 44.23,30.1 44.23,29.38 44.29,29.32 44.29,29.06 44.23,29 44.23,28.79 U1.AC24 ; v2(51.87,26.25) 52.2,26.59 U3.D3
  S2 w0.11: v2(51.87,26.25) 52.12,26.51 52.12,27.29 52.7,27.87 52.7,28.32 53.3,28.92 53.3,31.02 52.83,31.5 52.28,31.5 arc(52.08,31.42) 52,31.22 52,30.78 arc(51.85,30.41) 51.48,30.25 arc(51.11,30.41) 50.95,30.78 50.95,31.22 arc(50.87,31.42) 50.68,31.5 arc(50.48,31.42) 50.4,31.22 50.4,30.78 arc(50.25,30.41) 49.88,30.25 arc(49.51,30.41) 49.35,30.78 49.35,31.22 arc(49.27,31.42) 49.08,31.5 arc(48.88,31.42) 48.8,31.22 48.8,30.78 arc(48.65,30.41) 48.28,30.25 arc(47.91,30.41) 47.75,30.78 47.75,31.22 arc(47.67,31.42) 47.48,31.5 arc(47.28,31.42) 47.2,31.22 47.2,30.78 arc(47.05,30.41) 46.68,30.25 arc(46.31,30.41) 46.15,30.78 46.15,31.22 arc(46.07,31.42) 45.88,31.5 45.63,31.5 44.83,30.7 v2(44.83,30.57)
DRAM_DQS1_N: length 23.8
  TOP w0.11: U1.AC21 v2(44.3,26.91) ; v2(57.46,26.25) 57.77,25.94 U3.E10
  S1 w0.11: v2(44.3,26.91) 44.1,27.11 44.1,27.22 45.51,28.62 45.56,28.62 46.05,29.11 46.18,29.11 46.29,29.22 46.33,29.22 46.4,29.19 46.4,28.84 46.77,28.47 46.88,28.44 46.99,28.34 48.07,28.34 48.18,28.28 48.55,28.28 48.81,28.54 48.81,28.91 49.12,29.22 49.21,29.18 49.27,29.12 49.27,28.56 49.56,28.28 49.98,28.28 50.31,28.61 50.31,29.12 50.37,29.18 50.46,29.22 50.5,29.22 52.1,29.22 52.28,29.04 52.28,28.66 52.61,28.33 53.09,28.33 53.3,28.53 54.19,28.53 54.44,28.79 54.44,29.17 54.62,29.35 54.82,29.35 54.86,29.35 54.93,29.32 54.99,29.26 55.02,29.19 55.02,29.15 55.02,29.03 55.02,28.97 55.05,28.86 55.11,28.75 55.19,28.67 55.29,28.61 55.4,28.58 55.46,28.58 55.48,28.58 55.54,28.58 55.65,28.61 55.76,28.67 55.84,28.75 55.9,28.86 55.93,28.97 55.93,29.03 55.93,29.15 55.93,29.19 55.96,29.26 56.01,29.32 56.08,29.35 56.12,29.35 57.31,29.35 57.62,29.04 57.62,28.64 57.36,28.38 57.36,27.52 57.71,27.17 57.71,26.51 v2(57.46,26.25)
